# Altium PCB Calipso V2.0 REV4.2.PcbDoc (part 4 of 5)
Units mm, origin at the board's own origin, x right, y up, seen from the top; angles counter-clockwise.
Board outline 192.5 x 156.5 mm, 2 copper layers (Top Layer, Bottom Layer); 418 components, 329 nets, 1534 pads, 1623 vias.
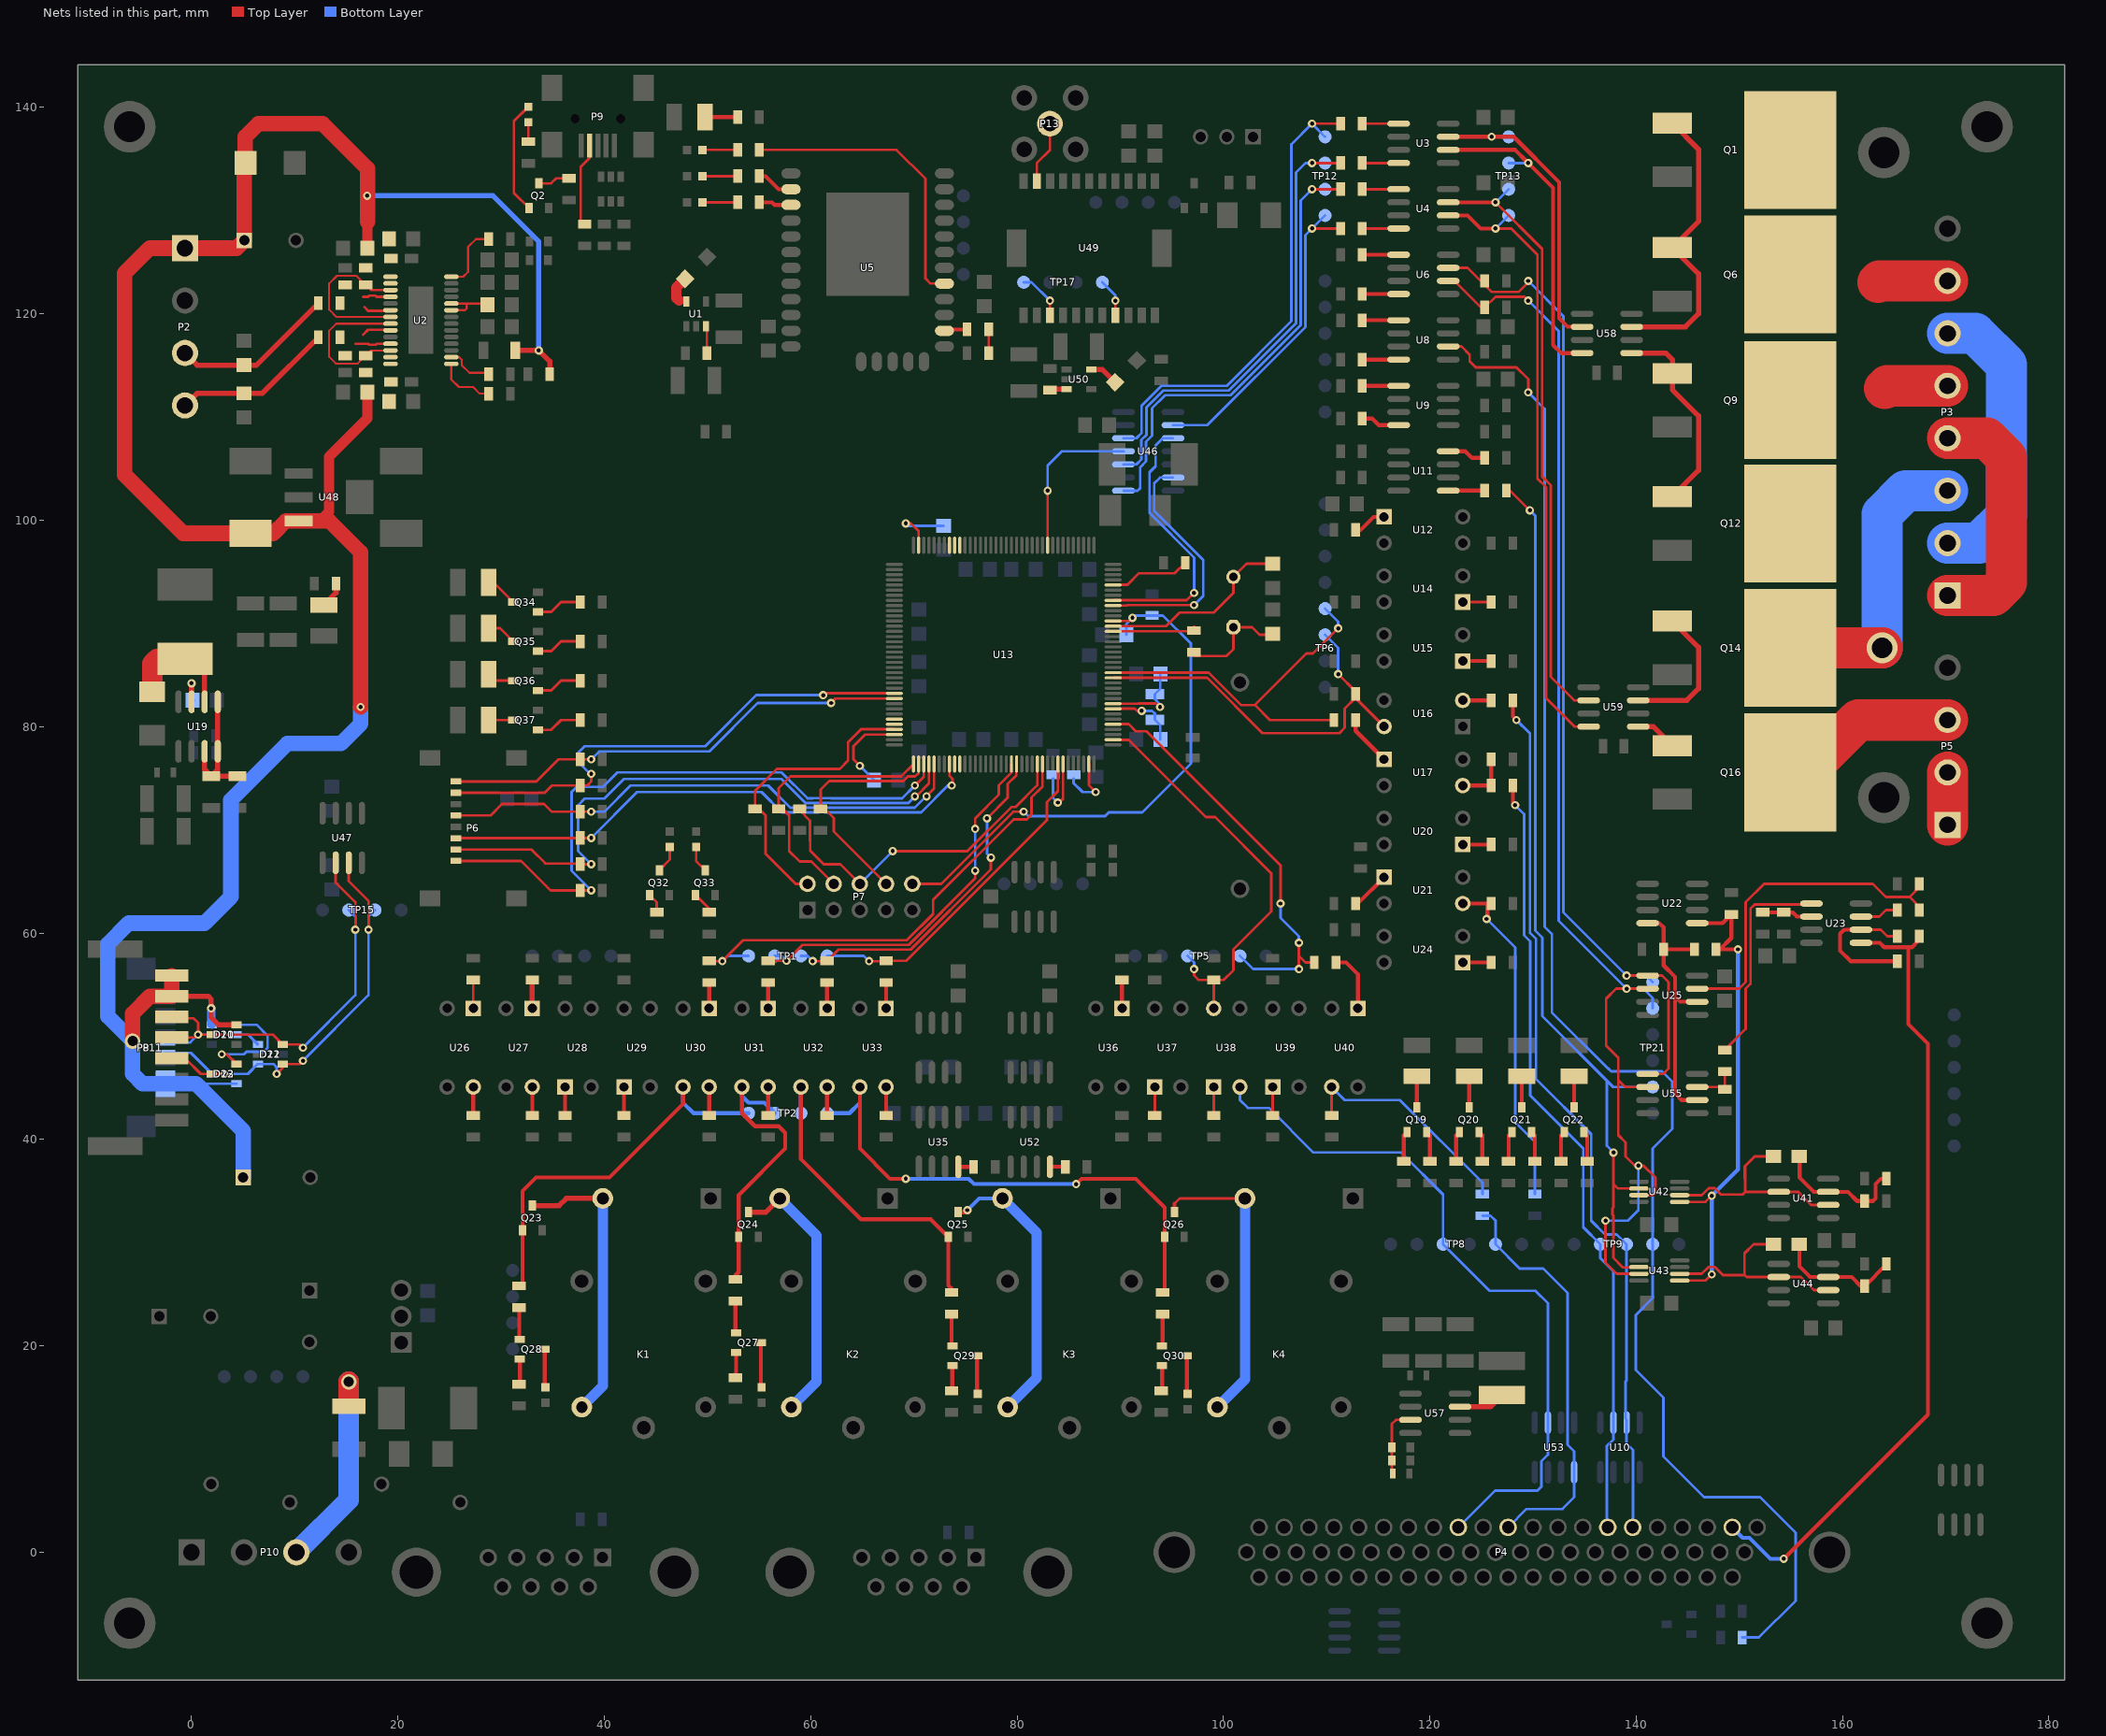
[diagram p4: the nets of this part, all layers, seen from the top]

## Via types
v1: diameter 0.8, hole 0.4, Top Layer to Bottom Layer, tented both sides, 1607 vias
v2: diameter 0.8, hole 0.4, Top Layer to Bottom Layer, 12 vias
v3: diameter 1.5, hole 1, Top Layer to Bottom Layer, 2 vias
v4: diameter 3, hole 2, Top Layer to Bottom Layer, 2 vias

## Nets (pads, with @x,y where several pads share a name; then routed paths per layer and width w, separated by ;. In a path a pad name is that pad's centre, name@x,y a point inside that pad or via, vN(x,y) a via of type N, cw(c..) or ccw(c..) an arc to the next point about the centre after c; other vN are vias at no path point) (continued)
LMP_PULSE: R102.1 TP5.5 U13.5 | length 40.6
  Top Layer w0.254: U13.5@89.34,80.245 90.817,80.245 91.506,79.556 92.529,79.556 105.537,66.548 v1(105.537,62.865) ; v1(107.315,56.515) 107.315,57.785 ; v1(107.315,59.055) 107.315,57.785 ; R102.1@108.805,57.15 107.95,57.15 107.315,57.785
  Bottom Layer w0.254: TP5.5@101.6,57.785 101.612,57.785 102.882,56.515 v1(107.315,56.515) ; v1(105.537,62.865) 105.537,61.468 107.315,59.69 v1(107.315,59.055)
LMP_PULSE_OUT: P4.11 R155.2 TP8.5 U53.5 | length 40.4
  Bottom Layer w0.254: R155.2@125.095,32.605 125.891,32.605 126.365,32.131 TP8.5@126.365,29.845 128.714,27.495 131,27.495 133.35,25.146 133.35,10.414 133.985,9.779 133.985,5.334 132.842,4.191 129.371,4.191 P4.11@127.59,2.41
LMP_RDY: R99.1 TP5.3 U13.2 U38.4 | length 40.9
  Top Layer w0.254: U13.2@89.309,78.733 89.332,78.71 90.835,78.71 98.298,71.247 99.187,71.247 104.648,65.786 104.648,62.103 100.965,58.42 100.965,56.388 100.042,55.465 R99.1@99.06,55.465 ; v1(97.155,56.515) 97.155,55.88 97.57,55.465 R99.1@99.06,55.465 ; U38.4@99.06,52.705 R99.1@99.06,55.465
  Bottom Layer w0.254: TP5.3@96.52,57.785 97.155,57.15 v1(97.155,56.515)
LMP_READY: P4.9 TP8.3 U38.2 U53.2 | length 69.8
  Bottom Layer w0.254: U38.2@101.6,45.085 101.6,43.815 102.362,43.053 104.394,43.053 108.712,38.735 117.221,38.735 121.285,34.671 TP8.3@121.285,29.845 125.793,25.336 130.238,25.336 131.445,24.13 U53.2@131.445,12.56 131.445,9.447 130.818,8.82 130.818,6.358 130.429,5.969 126.323,5.969 P4.9@122.764,2.41
LMP_SIMEN: R58.1 TP6.1 U13.15 | length 36.5
  Top Layer w0.254: U13.15@89.34,85.245 98.559,85.245 101.708,82.096 103.039,82.096 ; R58.1@110.335,80.645 104.49,80.645 103.039,82.096 ; v1(111.125,89.535) 108.677,87.087 108.03,87.087 103.039,82.096
  Bottom Layer w0.254: TP6.1@109.855,91.44 111.125,90.17 v1(111.125,89.535)
LMP_SIMMER_ENABLE: P4.15 R61.2 TP9.3 U10.2 | length 76.3
  Top Layer w0.381: R61.2@128.05,74.295 128.05,72.61 v1(128.27,72.39)
  Bottom Layer w0.254: v1(128.27,72.39) 129.132,71.528 129.132,59.78 129.721,59.19 129.721,44.269 134.874,39.116 134.874,31.496 TP9.3@136.525,29.845 136.525,28.502 137.795,27.232 137.795,10.922 137.168,10.295 137.168,2.41 P4.15@137.242,2.41
LMP_SIMMER_SENSOR: P4.16 R52.2 TP9.4 U10.3 | length 85.8
  Top Layer w0.381: R52.2@128.05,82.55 128.05,80.992 v1(128.397,80.645) v1@128.425,80.673
  Bottom Layer w0.254: v1(128.397,80.645) 129.713,79.329 129.713,60.02 130.302,59.431 130.302,45.847 135.636,40.513 135.636,32.131 136.969,30.797 138.112,30.797 TP9.4@139.065,29.845 139.065,16.637 138.973,16.545 138.973,12.954 139.065,12.862 U10.3@139.065,12.56 139.065,10.541 139.692,9.914 139.692,2.41 P4.16@139.655,2.41
LMP_SIMSEN: R54.1 TP6.2 U13.14 U16.4 | length 39.5
  Top Layer w0.254: U13.14@89.34,84.745 98.417,84.745 103.787,79.375 111.252,79.375 111.76,79.883 111.76,81.76 R54.1@112.81,82.81 ; v1(111.125,85.09) 112.81,83.405 R54.1@112.81,83.185 R54.1@112.81,82.81 ; U16.4@115.57,80.01 112.81,82.77 R54.1@112.81,82.81
  Bottom Layer w0.254: TP6.2@109.855,88.9 111.125,87.63 v1(111.125,85.09)
LMP_VPROG: P4.20 R84.2 U23.1 | length 78.7
  Top Layer w0.384: v1(154.305,-0.635) 168.275,13.335 168.275,49.276 166.37,51.181 166.37,58.623 ; U23.1@161.735,59.055 U23.1@161.785,59.055 163.601,59.055 164.033,58.623 166.37,58.623 ; R84.2@167.42,59.69 167.42,59.315 166.728,58.623 166.37,58.623
  Bottom Layer w0.384: P4.20@149.225,2.492 P4.20@149.307,2.41 150.32,1.397 150.977,1.397 153.009,-0.635 v1(154.305,-0.635)
MCU_TDI: P7.8 R66.2 U13.110 | length 22.8
  Top Layer w0.254: P7.8@67.31,64.77 62.23,69.85 62.23,71.148 60.96,72.418 60.96,73.914 61.776,74.73 68.967,74.73 69.421,75.184 70.129,75.184 70.459,75.514 U13.110@70.459,76.383
MON_CLK: R22.1 TP21.2 U6.6 U25.2 U42.7 U43.7 U55.2 | length 130.1
  Top Layer w0.254: U6.6@121.78,123.19 122.4,123.19 124.94,120.65 125.349,120.65 126.365,121.666 129.159,121.666 v1(129.54,121.285) ; v1(137.033,32.131) 137.033,28.067 138.12,26.98 U43.7@140.265,26.98 ; U42.7@140.265,34.6 141.661,34.6 141.859,34.798 141.859,36.322 140.716,37.465 v1(140.208,37.465) 139.865,37.465 138.976,38.354 138.976,39.713 138.268,40.421 138.268,45.755 ; U55.2@141.11,45.085 138.938,45.085 138.268,45.755 ; U25.2@141.11,54.61 v1(139.065,54.61) 138.049,54.61 137.087,53.648 137.087,49.107 138.268,47.926 138.268,45.755
  Bottom Layer w0.254: v1(129.54,121.285) 132.5,118.325 132.5,61.175 v1(139.065,54.61) 140.716,54.61 141.605,53.721 TP21.2@141.605,52.705 ; v1(137.033,32.131) 139.192,32.131 140.208,33.147 v1(140.208,37.465)
MON_DOUT: R37.2 TP21.5 U42.6 U43.6 | length 97.6
  Top Layer w0.254: R37.2@127.79,102.87 v1(129.695,100.965) ; v1(137.795,38.735) 137.795,35.687 ; U43.6@140.265,27.63 140.229,27.594 138.719,27.594 137.795,28.518 137.795,32.627 137.703,32.719 137.703,33.321 137.795,33.413 137.795,35.687 ; U42.6@140.265,35.25 138.232,35.25 137.795,35.687
  Bottom Layer w0.254: v1(129.695,100.965) 130.23,100.43 130.23,60.235 130.918,59.547 130.918,51.936 ; v1(137.795,38.735) 137.146,39.384 137.146,45.708 130.918,51.936 ; TP21.5@141.605,45.085 137.769,45.085 130.918,51.936
MON_VREF: R77.1 R86.2 U22.1 U42.1 U43.1 | length 48.5
  Top Layer w0.254: U43.1@144.215,26.33 146.726,26.33 v1(147.32,26.924) ; U42.1@144.215,33.95 146.726,33.95 v1(147.32,34.544)
  Top Layer w0.384: U22.1@145.91,60.96 148.37,60.96 R77.1@149.225,61.815 149.225,59.535 148.11,58.42 v1(149.86,58.42)
  Bottom Layer w0.384: v1(147.32,26.924) v1(147.32,34.544) 149.86,37.084 v1(149.86,58.42)
NetBOOT1_1: BOOT1.1 R28.1 | length 2.3
  Top Layer w0.254: R28.1@77.25,116.205 BOOT1.1@77.25,118.491
NetBOOT1_2: BOOT1.2 U5.2 | length 2.2
  Top Layer w0.384: U5.2@72.967,118.364 73.094,118.491 BOOT1.2@75.15,118.491
NetC9_1: C9.1 U2.17 U2.21 | length 15.6
  Top Layer w0.2: U2.21@19.275,119.705 14.026,119.705 13.335,120.396 13.335,122.936 14.097,123.698 15.986,123.698 C9.1@16.875,122.809 17.379,122.305 U2.17@19.275,122.305
NetC9_2: C9.2 FB1.1 U2.18 U2.20 | length 5.4
  Top Layer w0.254: 16.637,121.666 17.133,121.666 17.225,121.758 17.827,121.758 17.93,121.655 U2.18@19.275,121.655 ; 16.764,120.65 17.11,120.304 19.275,120.304 U2.20@19.275,120.355
NetC15_1: C15.1 FB1.2 P2.3 | length 15.9
  Top Layer w0.5: P2.3@-0.635,116.205 0.54,115.03 C15.1@5.08,115.03 6.284,115.03 FB1.2@12.285,121.031
NetC18_1: C18.1 U2.22 U2.26 | length 15.5
  Top Layer w0.2: U2.26@19.275,116.455 17.379,116.455 C18.1@16.875,115.951 16.113,115.189 13.97,115.189 13.335,115.824 13.335,118.364 14.026,119.055 U2.22@19.275,119.055
NetC18_2: C18.2 FB2.1 U2.23 U2.25 | length 6.4
  Top Layer w0.254: 15.875,117.094 17.133,117.094 17.225,117.002 17.827,117.002 17.93,117.105 U2.25@19.275,117.105 ; 16.637,117.983 17.11,118.456 19.275,118.456 U2.23@19.275,118.405
NetC20_1: C20.1 FB2.2 P2.4 | length 15.7
  Top Layer w0.5: P2.4@-0.635,111.125 0.54,112.3 C20.1@5.08,112.3 6.856,112.3 FB2.2@12.285,117.729
NetC23_2: C23.2 U13.24 X1.2 | length 18.9
  Top Layer w0.254: U13.24@89.34,89.745 94.43,89.745 95.744,91.059 96.85,91.059 96.854,91.055 99.056,91.055 100.965,92.964 X1.2@100.965,94.515 102.24,95.79 C23.2@104.775,95.79
NetC24_2: C24.2 R45.2 X1.1 | length 10.4
  Top Layer w0.254: R45.2@97.155,86.84 100.302,86.84 100.965,87.503 X1.1@100.965,89.635 102.77,89.635 103.505,88.9 104.68,88.9 C24.2@104.775,88.995
NetC44_1: C44.1 U13.71 | length 6.7
  Top Layer w0.254: v1(69.215,99.695) 69.723,99.695 70.459,98.959 U13.71@70.459,97.583
  Bottom Layer w0.254: v1(69.215,99.695) 69.437,99.473 C44.1@72.898,99.473
NetC59_1: C59.1 U13.106 | length 8.6
  Top Layer w0.254: v1(64.77,76.2) 64.135,76.835 64.135,78.105 65.263,79.233 U13.106@68.109,79.233
  Bottom Layer w0.254: v1(64.77,76.2) 66.135,74.835 C59.1@66.135,74.803
NetC70_2: C70.2 U13.8 X2.1 | length 6.4
  Top Layer w0.254: U13.8@89.916,81.756 91.41,81.756 91.632,81.534 v1(92.075,81.534)
  Bottom Layer w0.254: v1(92.075,81.534) 93.091,81.534 93.345,81.28 X2.1@93.345,80.665 93.885,80.125 C70.2@93.885,78.74
NetC71_2: C71.2 U13.9 X2.2 | length 8.3
  Top Layer w0.254: U13.9@89.309,82.233 91.746,82.233 91.774,82.261 93.507,82.261 v1(93.853,81.915)
  Bottom Layer w0.254: v1(93.853,81.915) 93.853,82.169 93.345,82.677 X2.2@93.345,83.165 93.885,83.705 C71.2@93.885,85.09
NetC76_1: C76.1 U2.9 U2.10 | length 5.6
  Top Layer w0.2: U2.9@25.175,120.355 26.502,120.355 26.67,120.523 26.67,121.005 ; U2.10@25.175,121.005 26.67,121.005 ; C76.1@28.67,120.904 28.569,121.005 26.67,121.005
NetC87_1: C87.1 R166.2 R167.1 U57.3 | length 6.8
  Top Layer w0.254: C87.1@116.421,7.62 116.321,7.72 R166.2@116.321,8.89 116.321,12.435 116.713,12.827 U57.3@118.123,12.827
NetD15_1: D15.1 K1.2 Q23.3 | length 28.2
  Top Layer w0.5: Q23.3@33.02,33.585 35.617,33.585 36.322,34.29 D15.1@39.855,34.29
  Bottom Layer w1: K1.2@37.815,14.065 39.855,16.105 D15.1@39.855,34.29
NetD16_1: D16.1 K2.2 Q24.3 | length 26.7
  Top Layer w0.5: Q24.3@53.975,32.95 55.66,32.95 D16.1@57,34.29 ; D16.1@57.265,34.024 D16.1@57.531,34.29
  Bottom Layer w1: D16.1@57,34.29 60.579,30.711 60.579,16.509 K2.2@58.135,14.065
NetD17_1: D17.1 K3.2 Q25.3 | length 27.8
  Top Layer w0.384: Q25.3@74.295,32.95 75.241,32.95 75.241,33.09 v1(75.184,33.147)
  Bottom Layer w0.384: v1(75.184,33.147) 76.327,34.29 D17.1@78.59,34.29
  Bottom Layer w1: D17.1@78.59,34.29 81.915,30.965 81.915,16.89 K3.2@79.09,14.065
NetD18_1: D18.1 K4.2 Q26.3 | length 29.2
  Top Layer w0.254: 95.25,33.782 95.758,34.29 D18.1@102.085,34.29
  Top Layer w0.384: Q26.3@95.25,32.95 95.25,33.782
  Bottom Layer w1: K4.2@99.41,14.065 102.085,16.74 D18.1@102.085,34.29
NetF2_2: F2.2 P10.3 | length 20.1
  Top Layer w2: 15.24,14.986 v3(15.24,16.51)
  Bottom Layer w2: P10.3@10.16,0 15.24,5.08 v3(15.24,16.51)
NetJ6_0: J6.0 R121.1 R130.2 U44.3 | length 12.3
  Top Layer w0.384: J6.0@155.809,29.845 155.809,27.706 156.845,26.67 U44.3@158.61,26.67 160.881,26.67 161.77,25.781 R130.2@162.145,25.781 164.245,27.881 R121.1@164.245,27.94
NetJ6_1: J6.1 U43.2 U44.2 U44.6 | length 20.9
  Top Layer w0.254: U43.2@144.215,26.98 146.348,26.98 147.019,27.651 147.621,27.651 148.407,26.865 150.495,26.865 ; J6.1@153.309,29.845 151.384,29.845 150.495,28.956 150.495,26.865 ; U44.2@158.61,25.4 157.226,25.4 155.956,26.67 U44.6@153.81,26.67 150.69,26.67 150.495,26.865
NetJ7_0: J7.0 U41.2 U41.6 U42.2 | length 23.6
  Top Layer w0.254: U42.2@144.215,34.6 146.348,34.6 147.019,35.271 147.621,35.271 148.221,34.671 150.309,34.671 150.563,34.925 ; 150.495,37.358 150.563,34.925 ; J7.0@153.309,38.354 151.491,38.354 150.563,37.426 150.563,34.925 ; U41.2@158.61,33.655 156.972,33.655 155.702,34.925 U41.6@153.81,34.925 150.563,34.925
NetJ7_1: J7.1 R104.1 R105.2 U41.3 | length 12.7
  Top Layer w0.384: J7.1@155.829,38.354 155.829,36.322 157.226,34.925 U41.3@158.61,34.925 160.528,34.925 161.417,34.036 R105.2@161.77,34.036 ; R105.2@162.145,34.036 162.941,34.036 163.195,34.29 163.195,35.687 163.703,36.195 R104.1@164.245,36.195
NetL1_2: L1.2 U1.5 | length 2.6
  Top Layer w1: 47.244,121.285 46.99,121.539 46.99,122.555 L1.2@47.834,123.399
NetL2_2: L2.2 U57.7 | length 4.6
  Top Layer w0.5: U57.7@122.923,14.097 125.856,14.097 L2.2@127,15.241
NetL10_2: L10.2 U50.5 | length 2.8
  Top Layer w0.5: U50.5@87.179,114.615 88.242,114.615 L10.2@89.49,113.366
NetLED1_1: LED1.1 Q32.3 | length 2.7
  Top Layer w0.254: Q32.3@45.339,66.097 46.355,67.113 LED1.1@46.355,68.338
NetLED2_1: LED2.1 Q33.3 | length 2.6
  Top Layer w0.254: LED2.1@48.895,68.338 48.895,66.986 Q33.3@49.784,66.097
NetLED3_2: LED3.2 Q19.3 | length 3
  Top Layer w0.384: Q19.3@118.745,43.11 LED3.2@118.745,46.125
NetLED4_2: LED4.2 Q20.3 | length 3
  Top Layer w0.384: Q20.3@123.825,43.11 LED4.2@123.825,46.125
NetLED5_2: LED5.2 Q21.3 | length 3
  Top Layer w0.384: Q21.3@128.905,43.11 LED5.2@128.905,46.125
NetLED6_2: LED6.2 Q22.3 | length 3
  Top Layer w0.384: Q22.3@133.985,43.11 LED6.2@133.985,46.125
NetLED7_1: LED7.1 Q28.3 | length 3.7
  Top Layer w0.384: Q28.3@34.22,19.685 34.22,16.06 LED7.1@34.29,15.99
NetLED8_1: LED8.1 Q27.3 | length 4.4
  Top Layer w0.384: Q27.3@55.175,20.32 55.175,16.06 LED8.1@55.245,15.99
NetLED9_1: LED9.1 Q29.3 | length 3.7
  Top Layer w0.384: Q29.3@76.13,19.05 76.13,15.425 LED9.1@76.2,15.355
NetLED10_1: LED10.1 Q30.3 | length 3.6
  Top Layer w0.384: LED10.1@96.45,15.425 Q30.3@96.45,19.05
NetLED11_1: LED11.1 Q34.3 | length 3.2
  Top Layer w0.254: LED11.1@28.805,93.98 29.28,93.98 Q34.3@31.185,92.075
NetLED12_1: LED12.1 Q35.3 | length 2.9
  Top Layer w0.254: LED12.1@28.805,89.535 29.915,89.535 Q35.3@31.185,88.265
NetLED13_1: LED13.1 Q36.3 | length 2.4
  Top Layer w0.254: LED13.1@28.805,84.455 Q36.3@31.185,84.455
NetLED14_1: LED14.1 Q37.3 | length 2.4
  Top Layer w0.254: LED14.1@28.805,80.645 Q37.3@31.185,80.645
NetLED15_1: LED15.1 Q2.1 | length 11
  Top Layer w0.254: LED15.1@32.639,140.069 31.242,138.672 31.242,131.708 Q2.1@32.705,130.245
NetLED15_2: LED15.2 R161.2 | length 1.9
  Top Layer w0.254: R161.2@32.639,136.686 LED15.2@32.639,138.569
NetLINK1_1: LINK1.1 R6.2 | length 3.4
  Top Layer w0.254: LINK1.1@49.518,130.81 R6.2@52.925,130.81
NetP3_1: P3.1 P3.4 | length 24.8
  Top Layer w4: P3.1@170.18,92.71 174.625,92.71 175.895,93.98 175.895,106.045 173.99,107.95 P3.4@170.18,107.95
NetP3_2: P3.2 P3.6 | length 28.4
  Bottom Layer w4: P3.2@170.18,97.79 173.228,97.79 175.895,100.457 175.895,115.062 172.847,118.11 P3.6@170.18,118.11
NetP3_3: P3.3 Q14.2 | length 31.3
  Top Layer w4: Q14.2@154.94,90.551 154.94,88.9 156.21,87.63 v4(163.83,87.63)
  Bottom Layer w4: v4(163.83,87.63) 163.83,100.584 166.116,102.87 P3.3@170.18,102.87
NetP3_5: P3.5 Q9.2 Q12.2 | length 6.2
  Top Layer w4: 164.084,112.776 164.338,113.03 P3.5@170.18,113.03
NetP3_7: P3.7 Q1.2 Q6.2 | length 6.8
  Top Layer w4: 163.449,123.063 163.576,123.19 P3.7@170.18,123.19
NetP5_1: P5.1 P5.2 | length 5.1
  Top Layer w4: P5.1@170.18,70.485 P5.2@170.18,75.565
NetP5_3: P5.3 Q16.2 | length 17.3
  Top Layer w4: Q16.2@154.94,75.565 156.435,75.565 161.515,80.645 P5.3@170.18,80.645
NetP9_4: P9.4 R165.2 | length 8.1
  Top Layer w0.254: R165.2@38.1,128.685 37.719,129.066 37.719,134.239 38.57,135.09 P9.4@38.57,136.295
NetP13_1: P13.1 U49.21 | length 6.1
  Top Layer w0.254: U49.21@81.915,132.865 81.915,134.62 83.185,135.89 P13.1@83.185,138.43
NetPWR1_1: PWR1.1 R7.2 | length 3.4
  Top Layer w0.254: PWR1.1@49.518,133.35 R7.2@52.925,133.35
NetQ1_1: Q1.1 Q6.1 U58.7 | length 28.6
  Top Layer w0.5: U58.7@139.56,118.745 144.78,118.745 146.05,120.015 146.05,123.88 Q6.1@143.51,126.42 146.05,128.96 146.05,135.945 Q1.1@143.51,138.485
NetQ2_3: Q2.3 R162.1 | length 3.1
  Top Layer w0.254: Q2.3@33.655,132.645 34.855,132.645 35.34,133.13 R162.1@36.576,133.13
NetQ9_1: Q9.1 Q12.1 U58.5 | length 19.6
  Top Layer w0.5: U58.5@139.56,116.205 142.875,116.205 143.51,115.57 Q9.1@143.51,114.228 143.51,112.649 146.05,110.109 146.05,104.83 Q12.1@143.51,102.29
NetQ14_1: Q14.1 U59.7 | length 13.9
  Top Layer w0.5: U59.7@140.195,82.55 144.907,82.55 146.05,83.693 146.05,87.685 Q14.1@143.51,90.225
NetQ16_1: Q16.1 U59.5 | length 5.3
  Top Layer w0.254: Q16.1@142.665,77.315 Q16.1@143.51,78.16
  Top Layer w0.5: U59.5@140.195,80.01 141.66,80.01 Q16.1@143.51,78.16
NetQ19_1: Q19.1 R122.2 | length 2.6
  Top Layer w0.384: R122.2@117.475,38.255 117.475,40.39 Q19.1@117.795,40.71
NetQ19_2: Q19.2 R123.1 | length 2.6
  Top Layer w0.384: Q19.2@119.695,40.71 120.015,40.39 R123.1@120.015,38.255
NetQ20_1: Q20.1 R124.2 | length 2.6
  Top Layer w0.384: R124.2@122.555,38.255 122.555,40.39 Q20.1@122.875,40.71
NetQ20_2: Q20.2 R125.1 | length 2.6
  Top Layer w0.384: Q20.2@124.775,40.71 125.095,40.39 R125.1@125.095,38.255
NetQ21_1: Q21.1 R126.2 | length 2.6
  Top Layer w0.384: R126.2@127.635,38.255 127.635,40.39 Q21.1@127.955,40.71
NetQ21_2: Q21.2 R127.1 | length 2.6
  Top Layer w0.384: Q21.2@129.855,40.71 130.175,40.39 R127.1@130.175,38.255
NetQ22_1: Q22.1 R128.2 | length 2.6
  Top Layer w0.384: R128.2@132.715,38.255 132.715,40.39 Q22.1@133.035,40.71
NetQ22_2: Q22.2 R129.1 | length 2.1
  Top Layer w0.384: R129.1@135.255,38.255 Q22.2@135.255,40.39
NetQ27_1: Q27.1 R131.1 | length 2.7
  Top Layer w0.384: R131.1@52.705,23.975 52.705,21.34 Q27.1@52.775,21.27
NetQ27_2: Q27.2 R135.2 | length 2.1
  Top Layer w0.384: R135.2@52.705,17.3 52.775,17.37 Q27.2@52.775,19.37
NetQ28_1: Q28.1 R132.1 | length 2.6
  Top Layer w0.384: Q28.1@31.75,20.705 R132.1@31.75,23.34
NetQ28_2: Q28.2 R136.2 | length 2
  Top Layer w0.384: 31.82,16.735 Q28.2@31.82,18.735
NetQ29_1: Q29.1 R133.1 | length 2.7
  Top Layer w0.384: R133.1@73.66,22.705 73.66,20.07 Q29.1@73.73,20
NetQ29_2: Q29.2 R137.2 | length 2.1
  Top Layer w0.384: R137.2@73.66,16.03 73.73,16.1 Q29.2@73.73,18.1
NetQ30_1: Q30.1 R134.1 | length 2.6
  Top Layer w0.384: Q30.1@94.107,20.057 R134.1@94.107,22.705
NetQ30_2: Q30.2 R138.2 | length 2.1
  Top Layer w0.384: Q30.2@93.98,18.03 Q30.2@94.05,18.1 94.05,16.1
NetQ32_1: Q32.1 R79.2 | length 2
  Top Layer w0.254: Q32.1@44.389,63.697 45.085,63.001 R79.2@45.085,62.01
NetQ33_1: Q33.1 R80.2 | length 2.2
  Top Layer w0.254: Q33.1@48.834,63.697 50.165,62.366 R80.2@50.165,62.01
NetQ34_1: Q34.1 R95.2 | length 4.1
  Top Layer w0.254: Q34.1@33.585,91.125 34.864,91.125 35.814,92.075 R95.2@37.31,92.075
NetQ35_1: Q35.1 R96.2 | length 4.1
  Top Layer w0.254: Q35.1@33.585,87.315 34.864,87.315 35.814,88.265 R96.2@37.31,88.265
NetQ36_1: Q36.1 R114.2 | length 4.1
  Top Layer w0.254: Q36.1@33.585,83.505 34.864,83.505 35.814,84.455 R114.2@37.31,84.455
NetQ37_1: Q37.1 R115.2 | length 4.1
  Top Layer w0.254: Q37.1@33.585,79.695 34.864,79.695 35.814,80.645 R115.2@37.31,80.645
NetR1_1: R1.1 U1.3 | length 2.7
  Top Layer w0.254: U1.3@49.845,118.815 49.945,118.715 R1.1@49.945,116.205
NetR2_1: R2.1 TP12.1 U46.12 | length 47.1
  Top Layer w0.254: v1(108.585,138.43) R2.1@111.345,138.43
  Bottom Layer w0.254: U46.12@90.31,107.95 91.567,107.95 92.075,108.458 92.075,111.125 93.98,113.03 100.33,113.03 106.588,119.288 106.588,136.433 v1(108.585,138.43) TP12.1@109.855,137.16
NetR2_2: R2.2 U3.1 | length 3.5
  Top Layer w0.254: R2.2@113.445,138.43 U3.1@116.98,138.43
NetR6_1: R6.1 U5.15 | length 3.2
  Top Layer w0.384: R6.1@55.025,130.81 56.261,130.81 56.515,130.556 U5.15@58.097,130.556
NetR7_1: R7.1 U5.14 | length 3.6
  Top Layer w0.384: R7.1@55.025,133.35 55.626,133.35 56.896,132.08 U5.14@58.097,132.08
NetR8_1: R8.1 U5.5 | length 29
  Top Layer w0.254: R8.1@55.025,135.89 68.326,135.89 71.12,133.096 71.12,123.444 71.628,122.936 U5.5@72.967,122.936
NetR8_2: R8.2 RUN1.1 | length 3.4
  Top Layer w0.254: RUN1.1@49.518,135.89 R8.2@52.925,135.89
NetR9_2: "WIFI PWR 1.2" R9.2 | length 3.2
  Top Layer w0.381: 49.76,139.065 R9.2@52.925,139.065
NetR10_1: R10.1 TP12.2 U46.10 | length 45.6
  Top Layer w0.254: v1(108.585,134.62) R10.1@111.345,134.62
  Bottom Layer w0.254: U46.10@90.31,105.41 91.567,105.41 92.048,105.891 92.048,107.789 92.529,108.27 92.529,110.937 94.168,112.576 100.518,112.576 107.042,119.1 107.042,133.712 107.95,134.62 v1(108.585,134.62) TP12.2@109.855,134.62
NetR10_2: R10.2 U3.4 | length 3.5
  Top Layer w0.254: R10.2@113.445,134.62 U3.4@116.98,134.62
NetR12_1: R12.1 U52.8 | length 1.5
  Top Layer w0.381: U52.8@83.185,37.351 84.662,37.351 R12.1@84.675,37.338
NetR13_1: R13.1 TP12.3 U46.8 | length 45.3
  Top Layer w0.254: v1(108.585,132.08) R13.1@111.345,132.08
  Bottom Layer w0.254: U46.8@90.31,102.87 91.694,102.87 91.929,103.105 91.929,105.13 92.502,105.703 92.502,107.601 93.091,108.19 93.091,110.857 94.356,112.122 100.706,112.122 107.496,118.912 107.496,130.991 v1(108.585,132.08) TP12.3@109.855,132.08
NetR13_2: R13.2 U4.1 | length 3.5
  Top Layer w0.254: R13.2@113.445,132.08 U4.1@116.98,132.08
NetR16_1: R16.1 TP12.4 U46.2 | length 31.1
  Top Layer w0.254: v1(108.585,128.27) R16.1@111.345,128.27
  Bottom Layer w0.254: U46.2@95.11,109.22 98.446,109.22 107.95,118.724 107.95,127.635 v1(108.585,128.27) TP12.4@109.855,129.54
NetR16_2: R16.2 U4.4 | length 3.5
  Top Layer w0.254: R16.2@113.445,128.27 U4.4@116.98,128.27
NetR19_2: R19.2 U6.1 | length 3.5
  Top Layer w0.384: R19.2@113.445,125.73 U6.1@116.98,125.73
NetR21_2: R21.2 U6.4 | length 3.5
  Top Layer w0.384: R21.2@113.445,121.92 U6.4@116.98,121.92
NetR23_2: R23.2 U8.1 | length 3.5
  Top Layer w0.384: R23.2@113.445,119.38 U8.1@116.98,119.38
NetR25_2: R25.2 U8.4 | length 3.5
  Top Layer w0.384: R25.2@113.445,115.57 U8.4@116.98,115.57
NetR26_2: R26.2 U9.1 | length 3.5
  Top Layer w0.384: R26.2@113.445,113.03 U9.1@116.98,113.03
NetR30_2: R30.2 U9.4 | length 3.8
  Top Layer w0.384: R30.2@113.445,109.855 114.427,109.855 115.062,109.22 U9.4@116.98,109.22
NetR33_2: R33.2 U11.4 | length 3.8
  Top Layer w0.384: U11.4@121.78,106.68 123.444,106.68 124.079,106.045 R33.2@125.315,106.045
NetR37_1: R37.1 U11.1 | length 3.5
  Top Layer w0.384: U11.1@121.78,102.87 R37.1@125.315,102.87
NetR38_2: R38.2 U12.1 | length 3.3
  Top Layer w0.384: R38.2@112.81,99.06 113.284,99.06 114.554,100.33 U12.1@115.57,100.33
NetR40_1: R40.1 U13.32 | length 7.8
  Top Layer w0.254: U13.32@89.34,93.745 90.704,93.745 91.828,94.869 95.284,94.869 R40.1@96.3,95.885
NetR41_1: "STM PWR 1.2" R41.1 | length 2.5
  Top Layer w0.5: 12.827,91.797 14.004,92.974 R41.1@14.004,93.853
NetR44_1: R44.1 U14.1 | length 2.4
  Top Layer w0.254: U14.1@123.19,92.075 R44.1@125.575,92.075
NetR45_1: R45.1 U13.23 | length 8
  Top Layer w0.254: U13.23@89.363,89.222 89.34,89.245 96.71,89.245 R45.1@97.155,89.69
NetR48_1: R48.1 U15.1 | length 2.4
  Top Layer w0.384: U15.1@123.19,86.36 R48.1@125.575,86.36
NetR50_1: R50.1 U35.8 | length 1.5
  Top Layer w0.381: U35.8@74.309,37.338 R50.1@75.785,37.338
NetR52_1: R52.1 U16.2 | length 2.8
  Top Layer w0.384: U16.2@123.19,82.55 R52.1@125.95,82.55
NetR58_2: R58.2 U17.1 | length 5
  Top Layer w0.384: R58.2@112.81,80.645 112.81,79.595 U17.1@115.57,76.835
NetR59_1: R59.1 R61.1 U17.3 | length 5.3
  Top Layer w0.381: U17.3@123.19,74.295 R61.1@125.95,74.295 R59.1@125.95,76.835
NetR70_2: R70.2 R71.2 U19.1 U19.7 U19.8 | length 12.7
  Top Layer w0.5: U19.7@1.27,77.61 1.27,75.845 R70.2@1.905,75.21 ; U19.1@2.54,82.41 U19.8@2.54,77.61 2.54,75.845 R70.2@1.905,75.21 ; R71.2@4.445,75.21 R70.2@1.905,75.21
NetR73_1: R73.1 U20.1 | length 2.4
  Top Layer w0.384: U20.1@123.19,68.58 R73.1@125.575,68.58
NetR75_2: R75.2 U21.1 | length 3.8
  Top Layer w0.384: R75.2@112.81,62.865 113.03,62.865 U21.1@115.57,65.405
NetR76_2: R76.2 R82.1 U25.7 | length 33.2
  Top Layer w0.254: U25.7@145.91,54.61 149.987,54.61 150.622,55.245 150.622,62.992 152.4,64.77 162.941,64.77 164.211,63.5 166.497,63.5 ; R82.1@167.42,62.23 167.42,62.577 166.497,63.5 ; R76.2@167.42,64.77 167.42,64.423 166.497,63.5
NetR81_2: R81.2 R154.1 U21.3 | length 32.6
  Top Layer w0.384: U21.3@123.19,62.865 125.575,62.865 125.575,61.369 v1(125.504,61.369)
  Bottom Layer w0.254: v1(125.504,61.369) 128.27,58.603 128.27,41.656 130.175,39.751 R154.1@130.175,34.705
NetR82_2: R82.2 U23.3 | length 3.8
  Top Layer w0.254: U23.3@161.785,61.595 163.576,61.595 164.211,62.23 R82.2@165.32,62.23
NetR84_1: R84.1 R101.1 U23.2 | length 13.6
  Top Layer w0.254: U23.2@161.785,60.325 163.703,60.325 164.338,59.69 R84.1@165.32,59.69
  Top Layer w0.384: U23.2@161.785,60.325 160.147,60.325 159.766,59.944 159.766,58.293 160.782,57.277 R101.1@165.32,57.277
NetR87_2: R87.2 U26.1 | length 2.8
  Top Layer w0.254: U26.1@27.305,52.705 R87.2@27.305,55.465
NetR88_2: R88.2 U27.1 | length 2.8
  Top Layer w0.5: U27.1@33.021,52.705 R88.2@33.021,55.465
NetR91_2: R91.2 U30.1 | length 2.5
  Top Layer w0.384: U30.1@50.165,52.705 R91.2@50.165,55.21
NetR92_2: R92.2 U31.1 | length 2.5
  Top Layer w0.384: U31.1@55.88,52.705 R92.2@55.88,55.21
NetR93_2: R93.2 U32.1 | length 2.5
  Top Layer w0.384: U32.1@61.595,52.705 R93.2@61.595,55.21
NetR94_2: R94.2 U33.1 | length 2.5
  Top Layer w0.384: U33.1@67.31,52.705 R94.2@67.31,55.21
NetR97_2: R97.2 U36.1 | length 2.8
  Top Layer w0.384: U36.1@90.17,52.705 R97.2@90.17,55.465
NetR102_2: R102.2 U40.1 | length 5.9
  Top Layer w0.384: R102.2@110.905,57.15 111.887,57.15 113.03,56.007 U40.1@113.03,52.705
NetR103_1: R103.1 U24.1 | length 2.4
  Top Layer w0.381: U24.1@123.19,57.15 R103.1@125.575,57.15
NetR106_1: R106.1 U26.4 | length 2.8
  Top Layer w0.384: R106.1@27.305,42.325 U26.4@27.305,45.085
NetR107_1: R107.1 U27.4 | length 2.4
  Top Layer w0.384: R107.1@33.021,42.7 U27.4@33.021,45.085
NetR108_2: R108.2 U28.1 | length 2.8
  Top Layer w0.384: R108.2@36.195,42.325 U28.1@36.195,45.085
NetR109_2: R109.2 U29.1 | length 2.8
  Top Layer w0.384: R109.2@41.911,42.325 U29.1@41.911,45.085
NetR110_1: R110.1 U30.4 | length 2.4
  Top Layer w0.384: R110.1@50.165,42.7 U30.4@50.165,45.085
NetR111_1: R111.1 U31.4 | length 2.4
  Top Layer w0.384: R111.1@55.88,42.7 U31.4@55.88,45.085
NetR112_1: R112.1 U32.4 | length 2.4
  Top Layer w0.384: R112.1@61.595,42.7 U32.4@61.595,45.085
NetR113_1: R113.1 U33.4 | length 2.4
  Top Layer w0.384: R113.1@67.31,42.7 U33.4@67.31,45.085
NetR117_1: R117.1 U37.1 | length 2.4
  Top Layer w0.254: R117.1@93.345,42.7 U37.1@93.345,45.085
NetR118_1: R118.1 U38.1 | length 2.4
  Top Layer w0.254: R118.1@99.06,42.7 U38.1@99.06,45.085
NetR119_1: R119.1 U39.1 | length 2.4
  Top Layer w0.254: R119.1@104.775,42.7 U39.1@104.775,45.085
NetR120_2: R120.2 R155.1 U40.3 | length 21.9
  Top Layer w0.254: R120.2@110.49,42.7 U40.3@110.49,45.085
  Bottom Layer w0.254: U40.3@110.49,45.085 111.76,43.815 117.094,43.815 125.095,35.814 R155.1@125.095,34.705
NetR141_1: R141.1 U50.3 | length 1.6
  Top Layer w0.5: R141.1@83.185,112.615 83.285,112.715 U50.3@84.779,112.715
NetR143_2: R143.2 U2.2 | length 4.6
  Top Layer w0.2: U2.2@25.175,115.805 25.927,115.805 26.175,115.557 26.175,115.049 26.924,114.3 28.668,114.3 R143.2@28.795,114.173
NetR144_2: R144.2 U2.1 | length 5.7
  Top Layer w0.2: U2.1@25.175,115.155 25.175,113.636 25.908,112.903 27.305,112.903 27.94,112.268 R144.2@28.795,112.268
NetR146_2: R146.2 U2.14 | length 6.5
  Top Layer w0.2: U2.14@25.175,123.605 26.323,123.605 26.797,124.079 26.797,126.492 27.559,127.254 R146.2@28.795,127.254
NetR148_1: R148.1 R149.1 U23.6 | length 4.9
  Top Layer w0.384: R148.1@152.273,62.01 R149.1@154.305,62.01 155.16,62.01 155.575,61.595 U23.6@156.985,61.595
NetR150_1: R150.1 R158.2 U55.7 | length 4.5
  Top Layer w0.254: U55.7@145.91,45.085 148.37,45.085 R158.2@148.59,44.865 R150.1@148.59,46.575
NetR150_2: R150.2 U23.5 | length 20.8
  Top Layer w0.254: R150.2@148.59,48.675 150.622,50.707 150.622,54.603 151.076,55.057 151.076,62.35 151.488,62.762 156.882,62.762 U23.5@156.985,62.865
NetR152_2: R152.2 U13.143 | length 5.9
  Top Layer w0.254: U13.143@86.959,76.383 86.959,74.321 v1(87.62,73.66)
  Bottom Layer w0.254: R152.2@85.49,74.97 85.49,74.53 86.36,73.66 v1(87.62,73.66)
NetR153_2: R153.2 U13.138 | length 6.5
  Top Layer w0.254: v1(83.947,72.644) 84.074,72.644 84.459,73.029 U13.138@84.459,76.383
  Bottom Layer w0.254: R153.2@83.49,74.97 83.49,73.101 v1(83.947,72.644)
NetR157_1: R157.1 TP9.5 U8.6 | length 154.2
  Top Layer w0.254: U8.6@121.78,116.84 123.063,116.84 123.863,116.04 123.863,115.395 124.45,114.808 128.397,114.808 129.54,113.665 v1(129.54,112.395)
  Bottom Layer w0.254: v1(129.54,112.395) 131.138,110.797 131.138,60.611 131.826,59.923 131.826,52.312 137.24,46.898 137.266,46.898 137.555,46.609 142.494,46.609 143.51,45.593 143.51,41.021 141.605,39.116 TP9.5@141.605,29.845 141.605,24.638 139.954,22.987 139.954,17.653 142.625,14.982 142.625,9.275 146.565,5.334 152.019,5.334 155.448,1.905 155.448,-4.699 151.892,-8.255 R157.1@150.275,-8.255
NetTP13_1: TP13.1 U3.7 U58.2 | length 30
  Top Layer w0.384: U3.7@121.78,137.16 v1(125.984,137.16) 128.12,137.16 132.537,132.743 132.537,119.558 133.35,118.745 U58.2@134.76,118.745
  Bottom Layer w0.254: v1(125.984,137.16) TP13.1@127.635,137.16
NetTP13_2: TP13.2 U3.6 U58.4 | length 32
  Top Layer w0.254: v1@129.35,134.81 v1(129.54,134.62)
  Top Layer w0.384: U3.6@121.78,135.89 128.27,135.89 v1@129.35,134.81 ; v1(129.54,134.62) 131.953,132.207 131.953,116.967 132.715,116.205 U58.4@134.76,116.205
  Bottom Layer w0.254: TP13.2@127.635,134.62 v1(129.54,134.62)
NetTP13_3: TP13.3 U4.7 U59.2 | length 59.2
  Top Layer w0.254: v1(126.365,130.81) 130.883,126.292 130.883,104.236 131.718,103.401 131.718,84.817 133.985,82.55 U59.2@135.395,82.55
  Top Layer w0.384: U4.7@121.78,130.81 v1(126.365,130.81)
  Bottom Layer w0.254: v1(126.365,130.81) TP13.3@127.635,132.08
NetTP13_4: TP13.4 U4.6 U59.4 | length 60.6
  Top Layer w0.254: v1(126.365,128.27) 127.889,128.27 130.429,125.73 130.429,104.048 131.264,103.213 131.264,82.774 134.028,80.01 U59.4@135.395,80.01
  Top Layer w0.384: U4.6@121.78,129.54 123.67,129.54 124.94,128.27 v1(126.365,128.27)
  Bottom Layer w0.254: v1(126.365,128.27) TP13.4@127.635,129.54
NetTP17_1: TP17.1 U49.8 | length 3.7
  Top Layer w0.254: U49.8@89.535,119.865 v1(89.535,121.285)
  Bottom Layer w0.254: TP17.1@88.265,123.063 89.535,121.793 v1(89.535,121.285)
NetTP17_4: TP17.4 U49.3 | length 4.7
  Top Layer w0.254: U49.3@83.185,119.865 v1(83.185,121.285)
  Bottom Layer w0.254: TP17.4@80.645,123.063 81.407,123.063 v1(83.185,121.285)
NRESET: C50.1 P7.10 R151.2 U13.25 | length 54.6
  Top Layer w0.254: P7.10@69.85,64.77 72.644,64.77 79.629,71.755 v1(80.645,71.755) ; U13.25@89.34,90.245 90.88,90.245 v1(91.186,90.551)
  Bottom Layer w0.254: v1(80.645,71.755) 81.08,71.32 88.531,71.32 88.893,71.682 92.122,71.682 96.847,76.407 96.847,88.065 94.141,90.771 R151.2@93.091,90.771 91.406,90.771 v1(91.186,90.551) 90.583,89.948 C50.1@90.583,88.9
PELTIER: U13.46 U46.11 | length 15.6
  Top Layer w0.254: U13.46@82.959,97.583 v1(82.959,102.87)
  Bottom Layer w0.254: v1(82.959,102.87) 82.959,105.311 84.328,106.68 U46.11@90.31,106.68
PVCC: C3.1 C34.1 C64.1 C77.2 C78.2 C79.2 C80.2 C81.2 C82.2 C83.2 C84.2 D2.2 D10.2 D12.2 D21.2 D23.2 P2.1 P8.1 P8.2 P11.1 P11.2 P11.3 R145.1 R147.1 U2.15 U2.16 U2.27 U2.28 U48.3 | length 265.2
  Top Layer w0.254: v1(2.93,48.26) 3.42,48.26 D12.2@4.375,47.305
  Top Layer w0.5: P8.2@-1.905,53.88 1.619,53.88 1.905,53.594 v1(1.905,52.705) 1.905,51.816 2.606,51.115 D10.2@4.375,51.115 ; R145.1@31.395,116.459 v1(33.655,116.459) 34.705,115.409 R147.1@34.705,114.173
  Top Layer w1: D2.2@5.207,134.658 D2.2@5.245,134.62 ; U48.3@10.385,99.935 12.432,99.935 13.335,100.838 13.335,106.172 17.05,109.887 C79.2@17.05,112.395 ; C77.2@17.05,126.365 17.05,128.905
  Top Layer w1.5: v3(-5.715,49.53) -5.715,52.197 -4.032,53.88 P8.2@-1.905,53.88 P8.1@-1.905,55.88 ; v1(16.383,81.915) 16.383,96.901 13.349,99.935 U48.3@10.385,99.935 9.13,99.935 7.93,98.735 C64.1@5.715,98.735 -0.818,98.735 -6.477,104.394 -6.477,123.952 -4.064,126.365 P2.1@-0.635,126.365 4.358,126.365 C3.1@5.12,127.127 5.12,134.571 5.207,134.658 5.207,137.16 6.477,138.43 12.7,138.43 17.05,134.08 17.05,128.905
  Bottom Layer w0.254: 0.452,45.395 0.462,45.405 D23.2@4.375,45.405 ; D21.2@1.975,51.115 6.289,51.115 7.366,50.038 7.366,48.844 7.036,48.514 5.334,48.514 5.08,48.26 v1(2.93,48.26)
  Bottom Layer w0.5: v1(17.018,131.445) 29.21,131.445 33.655,127 v1(33.655,116.459)
  Bottom Layer w0.8: v1(1.905,52.705) 1.905,51.185 D21.2@1.975,51.115
  Bottom Layer w1.5: C34.1@5.005,36.322 5.005,40.842 0.452,45.395 P11.2@-2.54,45.395 -4.755,45.395 -5.715,46.355 v3(-5.715,49.53) -8.128,51.943 -8.128,58.928 -6.096,60.96 1.27,60.96 3.81,63.5 3.81,72.898 9.271,78.359 14.478,78.359 16.383,80.264 v1(16.383,81.915)
RC: C26.2 U19.3 | length 3.5
  Top Layer w0.5: U19.3@0,82.41 v1(0,84.201)
  Bottom Layer w0.5: v1(0,84.201) 0,82.645 C26.2@0.095,82.55
REF2.5V: R85.2 R86.1 U22.8 U25.6 U55.6 | length 25.6
  Top Layer w0.384: U22.8@141.11,60.96 142.24,60.96 142.655,60.545 R85.2@142.655,58.42 ; R86.1@145.26,58.42 R85.2@142.655,58.42 ; U55.6@145.91,43.815 144.399,43.815 143.764,44.45 143.764,53.848 ; U25.6@145.91,53.34 144.272,53.34 143.764,53.848 ; R85.2@142.655,58.42 142.655,56.862 143.764,55.753 143.764,53.848
RELAY1: R91.1 TP1.1 U13.134 | length 46
  Top Layer w0.254: R91.1@50.166,57.311 50.2,57.277 v1(51.436,57.277) 53.468,59.309 69.321,59.309 71.861,61.849 71.861,63.225 79.664,71.028 80.946,71.028 81.407,71.489 81.407,73.133 82.459,74.185 U13.134@82.459,76.383
  Bottom Layer w0.254: v1(51.436,57.277) 51.944,57.785 TP1.1@53.976,57.785
RELAY2: R92.1 TP1.2 U13.128 | length 37.3
  Top Layer w0.254: R92.1@55.881,57.311 v1(57.659,57.311) 59.203,58.855 69.509,58.855 75.946,65.292 v1(75.946,66.04) ; v1(75.946,70.104) 75.946,71.12 78.232,73.406 78.232,74.306 79.459,75.533 U13.128@79.459,76.383
  Bottom Layer w0.254: TP1.2@56.516,57.785 57.185,57.785 v1(57.659,57.311) ; v1(75.946,66.04) v1(75.946,70.104)
RELAY3: R93.1 TP1.3 U13.129 | length 33.9
  Top Layer w0.254: v1(60.199,57.277) 61.562,57.277 R93.1@61.596,57.311 62.686,58.401 69.697,58.401 77.47,66.174 v1(77.47,67.31) ; v1(77.089,71.12) 79.095,73.126 79.095,74.452 79.936,75.293 79.936,76.36 U13.129@79.959,76.383
  Bottom Layer w0.254: TP1.3@59.056,57.785 59.691,57.785 v1(60.199,57.277) ; v1(77.089,71.12) 77.089,67.691 v1(77.47,67.31)
RELAY4: R94.1 TP1.4 U13.137 | length 33
  Top Layer w0.254: v1(65.66,57.277) 67.275,57.277 R94.1@67.31,57.312 ; R94.1@67.311,57.311 69.249,57.311 82.888,70.95 82.888,72.687 83.959,73.759 U13.137@83.959,76.383
  Bottom Layer w0.254: TP1.4@61.596,57.785 65.152,57.785 v1(65.66,57.277)
RELAY_O1: Q23.1 R132.2 TP2.1 U30.3 | length 38.3
  Top Layer w0.384: R132.2@31.75,25.815 32.07,26.135 Q23.1@32.07,31.185 32.07,34.991 33.39,36.311 40.502,36.311 47.625,43.434 U30.3@47.625,45.085
  Bottom Layer w0.384: U30.3@47.625,45.085 47.625,43.562 48.642,42.545 TP2.1@53.976,42.545
RELAY_O2: Q24.1 R131.2 TP2.2 U31.3 | length 28.1
  Top Layer w0.384: R131.2@52.705,26.825 53.025,27.145 Q24.1@53.025,30.55 53.025,34.61 57.531,39.116 57.531,40.64 56.896,41.275 54.61,41.275 53.34,42.545 U31.3@53.34,45.085
  Bottom Layer w0.384: U31.3@53.34,45.085 53.34,44.208 53.976,43.572 55.489,43.572 TP2.2@56.516,42.545
RELAY_O3: Q25.1 R133.2 TP2.3 U32.3 | length 32.1
  Top Layer w0.384: U32.3@59.055,45.085 59.055,38.1 64.897,32.258 71.637,32.258 Q25.1@73.345,30.55 73.345,25.87 R133.2@73.66,25.555
  Bottom Layer w0.384: TP2.3@59.056,42.545 U32.3@59.055,45.085
RELAY_O4: Q26.1 R134.2 TP2.4 U33.3 | length 51.7
  Top Layer w0.384: U33.3@64.77,45.085 64.77,39.117 67.692,36.195 v1(69.215,36.195) ; v1(85.73,35.682) 86.243,36.195 91.506,36.195 94.3,33.401 Q26.1@94.3,30.55 94.3,25.373 R134.2@94.107,25.18
  Bottom Layer w0.384: TP2.4@61.596,42.545 63.755,42.545 64.77,43.56 U33.3@64.77,45.085 ; v1(69.215,36.195) 75.311,36.195 75.824,35.682 v1(85.73,35.682)
RS232_DWIN_RX: D10.3 D11.2 D21.3 D22.2 P8.3 P8.4 P11.6 TP15.2 U47.2 | length 49.9
  Top Layer w0.254: P8.4@-1.905,49.88 0.35,49.88 v1(0.635,50.165) ; P8.3@-1.905,51.88 -1.768,51.743 0.2,51.743 0.635,51.308 v1(0.635,50.165) ; v1(10.795,48.895) 10.48,49.21 D11.2@8.82,49.21 7.865,50.165 D10.3@1.975,50.165 v1(0.635,50.165) ; U47.2@13.97,66.815 13.97,66.023 13.97,64.897 14.605,64.262 15.875,62.992 v1(15.875,60.325)
  Bottom Layer w0.254: P11.6@-2.54,49.395 -0.135,49.395 v1(0.635,50.165) D21.3@4.375,50.165 5.465,50.165 D22.2@6.42,49.21 ; v1(10.795,48.895) 15.875,53.975 v1(15.875,60.325) 15.875,61.595 TP15.2@15.24,62.23
RS232_DWIN_TX: D11.1 D12.3 D22.1 D23.3 P8.5 P11.5 TP15.3 U47.3 | length 46.6
  Top Layer w0.254: P8.5@-1.905,47.88 -0.636,47.88 0.889,46.355 D12.3@1.975,46.355 v1(3.175,46.355) ; v1(8.255,46.355) 8.82,46.92 D11.1@8.82,47.31 10.48,47.31 v1(10.795,47.625) ; U47.3@15.24,66.815 15.24,65.024 17.145,63.119 v1(17.145,60.325)
  Bottom Layer w0.254: P11.5@-2.54,48.395 -0.065,48.395 D23.3@1.975,46.355 v1(3.175,46.355) 5.465,46.355 D22.1@6.42,47.31 7.935,47.31 8.255,46.99 v1(8.255,46.355) ; v1(10.795,47.625) 17.145,53.975 v1(17.145,60.325) 17.145,61.595 TP15.3@17.78,62.23
SDIO_CK: P6.4 R67.1 U13.113 | length 52.3
  Top Layer w0.254: P6.4@25.626,71.392 28.974,71.392 30.099,72.517 34.163,72.517 34.925,71.755 37.31,71.755 v1(38.735,71.755) ; v1(71.224,73.244) 71.224,73.256 71.959,73.991 U13.113@71.959,76.383
  Bottom Layer w0.254: v1(38.735,71.755) 40.005,71.755 42.545,74.295 55.88,74.295 58.023,72.152 58.29,72.152 58.312,72.174 59.29,72.174 59.312,72.152 60.576,72.152 60.598,72.174 61.576,72.174 61.598,72.152 70.063,72.152 71.155,73.244 v1(71.224,73.244)
SDIO_CMD: P6.6 R68.1 U13.116 | length 54.1
  Top Layer w0.254: P6.6@25.626,69.192 25.649,69.215 37.31,69.215 v1(38.735,69.215) ; U13.116@73.459,76.383 73.459,75.215 73.744,74.93 73.744,74.379 v1(73.66,74.295) ; U13.116@73.467,76.372 U13.116@73.468,76.373
  Bottom Layer w0.254: v1(38.735,69.215) 43.18,73.66 55.245,73.66 57.207,71.698 58.478,71.698 58.5,71.72 59.102,71.72 59.124,71.698 60.764,71.698 60.786,71.72 61.388,71.72 61.41,71.698 70.706,71.698 73.303,74.295 v1(73.66,74.295)
SDIO_D0: P6.2 R60.1 U13.98 | length 50
  Top Layer w0.254: P6.2@25.626,73.592 34.222,73.592 34.925,74.295 37.31,74.295 38.354,74.295 38.735,74.676 v1(38.735,75.438) ; v1(61.214,83.058) 61.401,83.245 U13.98@68.14,83.245
  Bottom Layer w0.254: v1(38.735,75.438) 38.608,75.438 37.465,76.581 37.465,77.47 38.1,78.105 49.784,78.105 54.737,83.058 v1(61.214,83.058)
SDIO_D1: P6.1 R57.1 U13.99 | length 45.8
  Top Layer w0.254: P6.1@25.626,74.692 33.417,74.692 35.56,76.835 37.31,76.835 v1(38.735,76.835) ; v1(61.976,82.296) 62.402,82.722 68.117,82.722 U13.99@68.14,82.745
  Bottom Layer w0.254: v1(38.735,76.835) 39.497,77.597 50.165,77.597 54.864,82.296 v1(61.976,82.296)
SDIO_D2: P6.8 R78.1 U13.111 | length 62.7
  Top Layer w0.254: P6.8@25.626,66.992 31.941,66.992 34.798,64.135 37.31,64.135 v1(38.735,64.135) ; v1(70.104,74.295) 70.959,75.15 U13.111@70.959,76.383
  Bottom Layer w0.254: v1(38.735,64.135) 36.83,66.04 36.83,73.66 37.338,74.168 39.878,74.168 41.275,75.565 57.183,75.565 59.688,73.06 60.2,73.06 60.222,73.082 61.952,73.082 61.974,73.06 68.869,73.06 v1(70.104,74.295)
SDIO_D3: P6.7 R74.1 U13.112 | length 58.6
  Top Layer w0.254: P6.7@25.626,68.092 32.941,68.092 34.29,66.743 37.242,66.743 37.31,66.675 v1(38.735,66.675) ; v1(70.104,73.244) 70.196,73.244 71.459,74.507 U13.112@71.459,76.383
  Bottom Layer w0.254: v1(38.735,66.675) 37.465,67.945 37.465,72.39 38.104,73.029 40.009,73.029 41.91,74.93 57.176,74.93 59.5,72.606 60.388,72.606 60.41,72.628 61.764,72.628 61.786,72.606 69.466,72.606 v1(70.104,73.244)
SPI2_MISO: U13.28 U46.6 | length 24
  Top Layer w0.254: U13.28@89.34,91.745 90.639,91.745 90.676,91.782 v1(97.155,91.782)
  Bottom Layer w0.254: U46.6@95.11,104.14 93.853,104.14 93.291,103.578 93.291,100.899 98.044,96.146 98.044,92.671 v1(97.155,91.782)
SPI2_MOSI: U13.29 U46.3 | length 26.4
  Top Layer w0.254: U13.29@89.34,92.245 96.436,92.245 v1(97.155,92.964)
  Bottom Layer w0.254: U46.3@95.11,107.95 94.135,107.95 93.429,107.243 93.429,105.24 92.837,104.648 92.837,100.711 97.155,96.393 v1(97.155,92.964)
SPI_MOSI: R20.1 TP21.1 U6.7 U25.1 U55.1 | length 98.2
  Top Layer w0.254: U6.7@121.78,124.46 123.67,124.46 126.01,122.12 128.607,122.12 129.54,123.053 v1(129.54,123.19) ; v1(139.065,55.88) U25.1@141.11,55.88 142.494,55.88 143.129,55.245 143.129,46.863 142.621,46.355 U55.1@141.11,46.355
  Bottom Layer w0.254: v1(129.54,123.19) 132.954,119.776 132.954,61.991 v1(139.065,55.88) 140.97,55.88 TP21.1@141.605,55.245
SW: D9.2 L5.2 U19.2 | length 12.1
  Top Layer w0.5: L5.2@-0.635,86.557 1.27,86.557 U19.2@1.27,82.41
  Top Layer w2: D9.2@-3.81,83.38 -3.81,86.106 -3.359,86.557 L5.2@-0.635,86.557
SWCLK: P7.4 R64.2 U13.109 | length 26.2
  Top Layer w0.254: P7.4@62.23,64.77 60.071,66.929 58.928,66.929 57.912,67.945 57.912,71.402 56.896,72.418 56.896,74.041 58.039,75.184 68.779,75.184 U13.109@69.969,76.374
SWDIO: P7.2 R63.2 U13.105 | length 28.8
  Top Layer w0.254: P7.2@59.69,64.77 58.547,64.77 55.626,67.691 55.626,71.402 54.61,72.418 54.61,73.787 56.72,75.897 62.816,75.897 63.627,76.708 63.627,78.493 64.89,79.756 68.129,79.756 U13.105@68.14,79.745
SWO: P7.6 R65.2 U13.133 | length 33.7
  Top Layer w0.254: R65.2@58.928,71.91 59.944,70.894 59.944,68.961 59.958,68.947 59.958,67.983 61.266,66.675 62.865,66.675 P7.6@64.77,64.77 ; v1(67.945,67.945) 75.177,67.945 79.441,72.209 79.841,72.209 81.959,74.327 U13.133@81.959,76.383
  Bottom Layer w0.254: P7.6@64.77,64.77 v1(67.945,67.945)
TIM1_CH2: U13.64
TIM1_CH2N: U13.63
TIM1_CH3N: U13.65
USART1_CTS: U13.103
USART1_RTS: U13.104
USART2_CTS: U13.117
USART2_RTS: U13.118